# KiCad board line follower simple.kicad_pcb (continued)
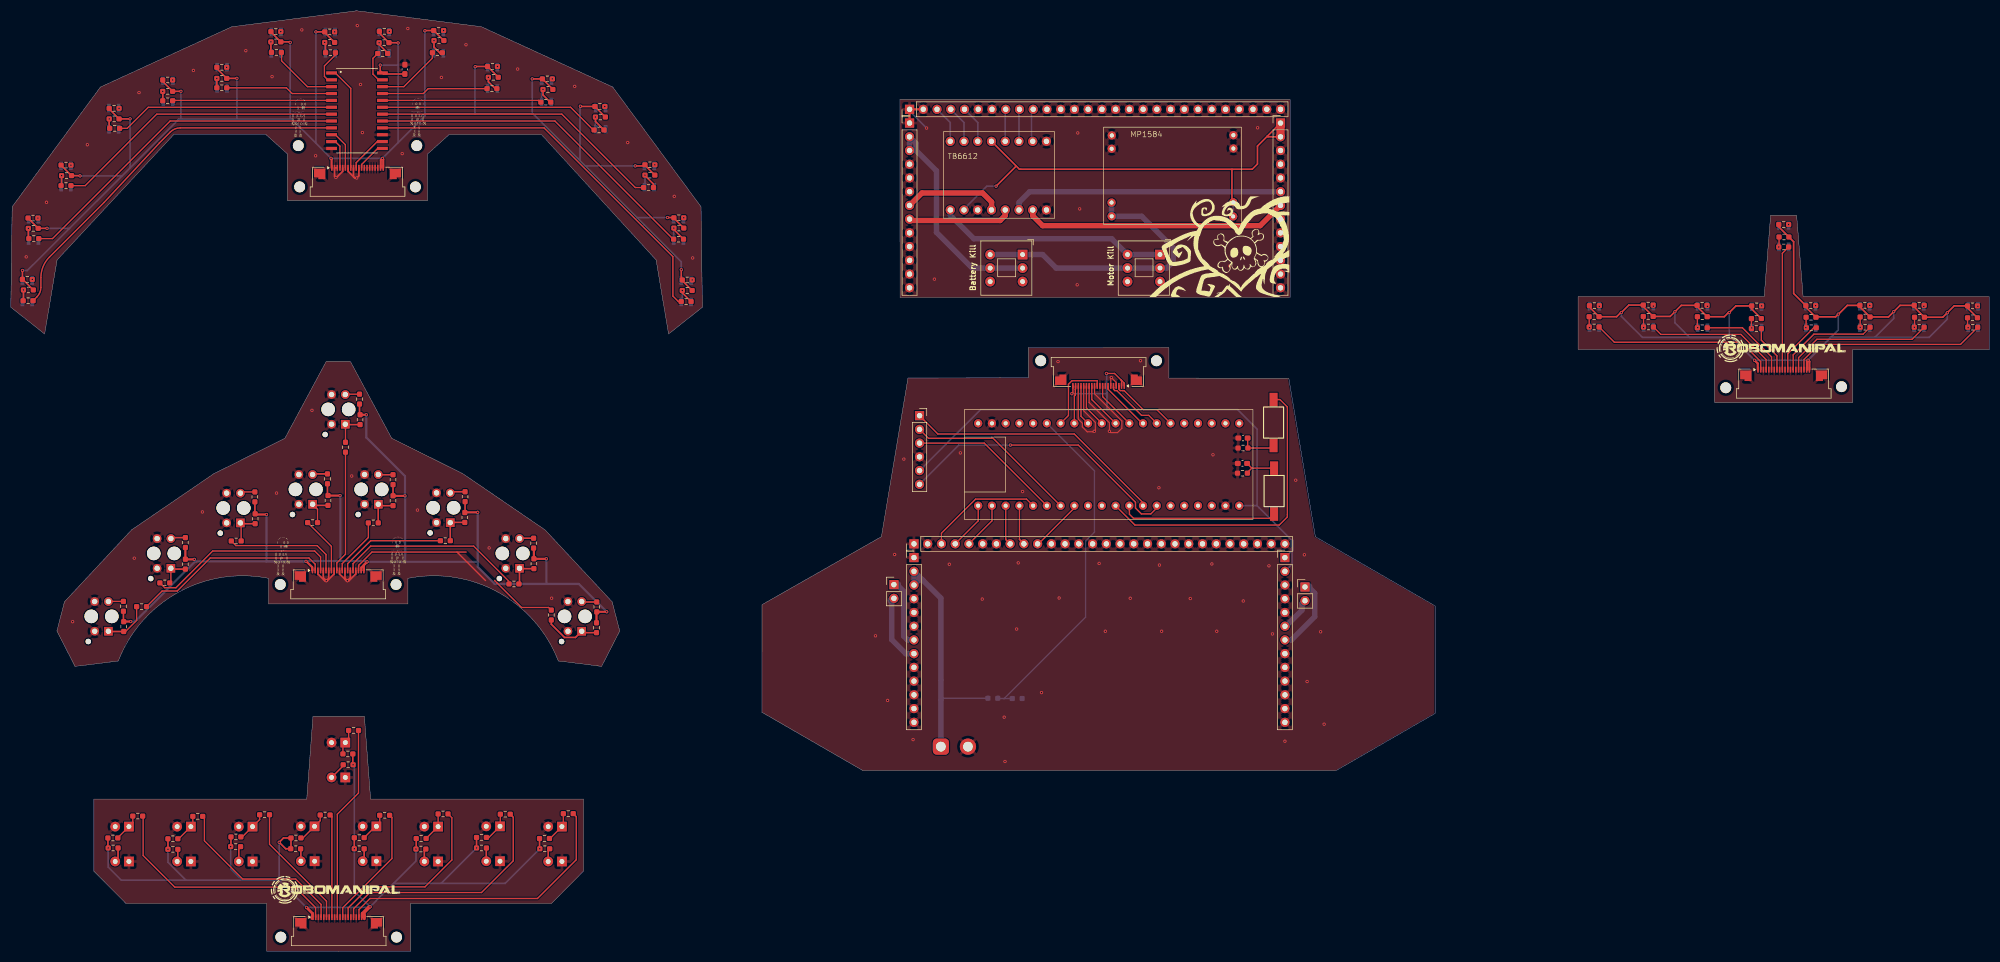
[diagram p0: board, top side]
## Routing (per net, layer and track width the routed paths; a pad name or vN(x,y) marks a point on that pad's centre or on a via; arc(x,y) is an arc through that point) (continued)
Net-(D7-A): length 2.3
  Top w0.3: 30.87,18.85 30.87,16.73 D7.2
Net-(D8-A): length 2.3
  Top w0.3: D8.2 53.62,18.9 R14.2
Net-(D9-A): length 2.4
  Top w0.3: R15.2 65.33,16.93 D9.2
Net-(Q1-C): length 5.7
  Top w0.25: R7.2 102.15,23.31 Q1.1 99.69,20.85 R4.1
Net-(Q2-C): length 5.4
  Top w0.25: R16.1 67.42,23.1 Q2.1 68.2,23.71 R17.2
Net-(Q3-C): length 5.4
  Top w0.25: R121.2 33.65,23.41 Q3.1 31.04,20.8 30.87,20.8
Net-(Q4-C): length 5.6
  Top w0.25: R125.2 90.5,23.16 Q4.1 88.39,21.05 R122.1
Net-(Q5-C): length 6
  Top w0.25: R123.1 54,20.95 Q5.1 57.2,24.15 R126.2
Net-(Q6-C): length 5.2
  Top w0.25: R127.2 22.55,23.76 Q6.1 19.78,20.99 R124.1
Net-(Q7-C): length 5.5
  Top w0.25: R131.2 79,23.06 Q7.1 78.98,23.05 R128.1
Net-(Q8-C): length 5.7
  Top w0.25: R129.1 42.79,21.15 Q8.1 46,24.36 R132.2
Net-(Q9-C): length 4.8
  Top w0.25: R130.1 61.4,38.16 Q9.1 62.45,39.21 R133.2
Net-(R19-Pad2): length 4.6
  Top w0.2: 2.3,122.15 2.46,122.31
  Top w0.3: v1(2.34,122.35) 2.34,120.4 R19.2
  Bottom w0.2: 2.1,120.08 U10.3
  Bottom w0.3: U10.3 2.34,120.31 v1(2.34,122.35)
Net-(R20-Pad2): length 4.2
  Top w0.3: v1(3.24,133.75) 3.24,131.95 R20.2
  Bottom w0.3: U11.3 3.3,133.69 v1(3.24,133.75)
Net-(R21-Pad2): length 4.3
  Top w0.3: 9.64,143.5 v1(9.39,143.5) 9.39,141.75 R21.2
  Bottom w0.3: U12.3 9.3,141.6 9.39,141.69 v1(9.39,143.5)
Net-(R22-Pad1): length 0.5
  Bottom w0.3: 4.1,124.22 3.95,124.08 4,124.12 4,124.26 v1(3.96,124.3)
Net-(R23-Pad1): length 0.3
  Bottom w0.3: v1(5.01,135.65) 5.05,135.61 5.05,135.47 5.1,135.43
Net-(R26-Pad1): length 0.1
  Bottom w0.3: v1(11.11,145.45) 11.1,145.44 U12.1
Net-(R28-Pad1): length 0.1
  Bottom w0.3: v1(29.91,161.2) 29.95,161.16 U13.1
Net-(R29-Pad1): length 3.8
  Top w0.3: v1(28.09,159.1) R30.2
  Bottom w0.3: U13.3 28.09,157.19 v1(28.09,159.1)
Net-(R31-Pad1): length 0.6
  Bottom w0.3: v1(39.91,163.55) 39.94,163.57 U14.1 39.95,164.1
Net-(R32-Pad1): length 3.8
  Top w0.3: v1(38.09,161.5) R33.2
  Bottom w0.3: U14.3 37.89,159.89 37.89,161.3 v1(38.09,161.5)
Net-(R34-Pad1): length 0.6
  Bottom w0.3: 49.95,170.55 U15.1 49.92,170.1 49.92,170.14 v1(49.91,170.15)
Net-(R35-Pad1): length 4.5
  Top w0.3: 47.79,168.3 47.79,168.29 47.83,168.25 v1(48.09,168.25) 48.09,166.4 R36.2
  Bottom w0.3: v1(48.09,168.25) 48.09,166.19 U15.3
Net-(R37-Pad1): length 0.1
  Bottom w0.3: v1(69.96,170.2) 69.95,170.19 U16.1
Net-(R38-Pad1): length 4.7
  Top w0.3: R39.2 69.66,166.19 68.09,167.76 v1(68.09,168.1)
  Bottom w0.3: v1(68.09,168.1) 68.09,166.19 U16.3
Net-(R40-Pad1): length 0.9
  Bottom w0.3: v1(80.01,170.35) 80.02,170.34 80.02,170.15 U17.1 79.95,170.7
Net-(R41-Pad1): length 5.2
  Top w0.3: v1(78.24,168.5) 78.24,167.28 79.31,166.2
  Bottom w0.3: U17.3 78.15,168.41 v1(78.24,168.5)
Net-(R43-Pad1): length 0.1
  Bottom w0.3: U18.1 89.95,163.69 v1(89.96,163.7)
Net-(R44-Pad1): length 5.1
  Top w0.3: R45.2 89.56,159.6 88.29,160.88 v1(88.29,161.7)
  Bottom w0.3: U18.3 88.29,159.76 v1(88.29,161.7)
Net-(R46-Pad1): length 0.1
  Bottom w0.3: U21.1 19.95,156.01 v1(20.01,155.95)
Net-(R47-Pad1): length 0.1
  Bottom w0.3: v1(59.86,170.1) 59.89,170.12 59.9,170.12 U22.1
Net-(R48-Pad1): length 0.5
  Top w0.3: 100.46,161.3 100.46,161.2
  Bottom w0.3: v1(100.11,161.4) 100.1,161.39 100.1,161.22 U23.1
Net-(R49-Pad2): length 2.9
  Top w0.3: 108.24,64.7 R49.2 105.63,64.61 U2.4
Net-(R50-Pad2): length 10.9
  Top w0.25: 105.54,59.2 U2.1
  Top w0.3: U2.1 104.39,58.05 102.37,58.05 99.92,60.5 R51.1 ; U2.1 105.8,58.94 R50.2 ; U2.1 105.54,59.09 105.54,59.08
Net-(R52-Pad2): length 2.7
  Top w0.3: U4.4 94.1,76.41 R52.2 96.59,76.35
Net-(R53-Pad2): length 5.9
  Top w0.3: U4.1 94.04,68.06 R54.1 ; U4.1 94.1,70.79 R53.2 96.64,70.85 ; U4.1 93.92,70.73
Net-(R55-Pad2): length 3.1
  Top w0.3: 83.77,84.8 R55.2 81.45,85.01 U5.4
Net-(R56-Pad2): length 6.1
  Top w0.3: 81.24,75.96 R57.1 81.25,79.29 U5.1 81.28,79.34 R56.2 83.9,79.3
Net-(R58-Pad2): length 2.8
  Top w0.3: U6.4 67.98,88.16 R58.2 70.62,88.2
Net-(R59-Pad2): length 6.7
  Top w0.3: 67.94,79.27 R60.1 67.92,82.68 U6.1 68.2,82.44 R59.2 70.4,82.7
Net-(R61-Pad2): length 3
  Top w0.3: U7.4 55.9,88.31 R61.2 58.43,88.2
Net-(R62-Pad2): length 7
  Top w0.25: U7.1 56.7,81.79 R63.1
  Top w0.3: U7.1 56,82.49 R62.2 58.43,82.7
Net-(R64-Pad2): length 2.8
  Top w0.25: R64.2 42.67,84.97 U8.4
Net-(R65-Pad2): length 6.4
  Top w0.25: R66.1 42.58,79.11 U8.1
  Top w0.3: 45.11,79.16 R65.2 42.59,79.1 U8.1 ; 42.89,79.36 42.78,79.25
Net-(R67-Pad2): length 3
  Top w0.3: U9.4 29.76,76.53 R67.2 32.11,76.36
Net-(R68-Pad2): length 6.1
  Top w0.25: 29.38,70.64 U9.1 29.59,68.36 R69.1
  Top w0.3: 32.11,70.86 R68.2 29.74,70.7 U9.1
Net-(R70-Pad2): length 2.8
  Top w0.25: U19.4 18.07,64.72 R70.2
Net-(R71-Pad2): length 8.9
  Top w0.25: 18.23,59.01 U19.1 ; R71.2 21.2,59.15 23.26,61.2 R72.1
  Top w0.3: U19.1 18.09,59.15 R71.2 20.86,59.16
Net-(R73-Pad2): length 2.7
  Top w0.25: U20.4 61.9,103.06 R73.2
  Top w0.3: 64.51,103 64.57,103.06
Net-(R74-Pad2): length 6.2
  Top w0.25: R75.1 61.87,97.46 U20.1
  Top w0.3: 64.51,97.5 R74.2 61.9,97.44 U20.1
Net-(R76-Pad1): length 3.7
  Top w0.3: v1(18.19,154) 18.19,152.35 R79.2
  Bottom w0.3: 18.15,152.07 18.15,152.25 18.19,152.29 v1(18.19,154)
Net-(R77-Pad1): length 4
  Top w0.3: v1(58.04,168.15) 58.19,168 R80.2
  Bottom w0.3: U22.3 58.04,166.24 v1(58.04,168.15)
Net-(R78-Pad1): length 5.6
  Top w0.3: R81.2 99.71,157.1 98.39,158.43 v1(98.39,159.45)
  Bottom w0.3: 97.92,157.12 U23.3 98.15,159.21 v1(98.39,159.45)
Net-(R82-Pad1): length 0.3
  Bottom w0.3: v1(109.81,156.3) 109.95,156.16 U24.1
Net-(R83-Pad1): length 5.4
  Top w0.3: v1(108.09,154.35) 108.09,153.53 R84.2
  Bottom w0.3: v1(108.09,154.35) 108.09,152.56 108.15,152.5 108.15,152.07
Net-(R85-Pad1): length 0.6
  Bottom w0.3: v1(119.06,145.5) 119.06,145.44 U25.1 118.95,145.75
Net-(R86-Pad1): length 5.2
  Top w0.3: R87.2 118.81,141.94 117.24,143.51 v1(117.24,143.6)
  Bottom w0.3: U25.3 117.24,141.46 v1(117.24,143.6)
Net-(R88-Pad1): length 0.9
  Bottom w0.3: 124.35,135.43 124.35,136
  Bottom w0.4: v1(124.41,135.7) 124.45,135.66 124.45,135.53 124.35,135.43
Net-(R89-Pad1): length 5.2
  Top w0.3: v1(122.59,133.8) 122.59,133.53 R90.2
  Bottom w0.3: 122.52,131.47 U26.3 122.55,133.76 v1(122.59,133.8)
Net-(R91-Pad1): length 0.3
  Bottom w0.3: 125.75,124.08 125.88,124.2 v1(125.96,124.2)
Net-(R92-Pad1): length 5.1
  Top w0.3: 124.25,122.14 v1(124.14,122.25) 124.14,121.83 R93.2
  Bottom w0.3: U27.3 123.95,120.55 124.14,120.74 v1(124.14,122.25)
Net-(R94-Pad1): length 0.1
  Top w0.25: v1(363.66,119.33) 363.59,119.4 R94.1
Net-(R95-Pad1):
  vias: v1(333.68,119.45)
Net-(R96-Pad1): length 0.2
  Top w0.25: v1(303.66,119.35) 303.62,119.39 R96.1
Net-(R100-Pad2): length 2
  Top w0.25: R97.1 361.75,115.49 v1(361.86,115.38) 361.8,115.44 R100.2
Net-(R101-Pad2): length 2.1
  Top w0.25: R98.1 331.9,115.4 R101.2 331.89,115.35 v1(331.86,115.38)
Net-(R102-Pad2): length 2.1
  Top w0.25: R99.1 301.85,117.4 301.85,115.41 v1(301.86,115.4)
Net-(R103-Pad1): length 0.2
  Top w0.25: v1(353.66,119.33) 353.72,119.39 R103.1
Net-(R104-Pad1):
  vias: v1(323.68,119.4)
Net-(R105-Pad1): length 0.1
  Top w0.25: R105.1 293.68,119.34 v1(293.66,119.33)
Net-(R106-Pad1): length 1.9
  Top w0.25: v1(351.9,115.45) 351.95,115.5 R106.1
Net-(R107-Pad1): length 2
  Top w0.25: v1(321.86,115.33) 321.8,115.26 R110.2 R107.1
Net-(R108-Pad1): length 2.1
  Top w0.25: R108.1 R111.2 291.8,115.44 v1(291.86,115.38)
Net-(R112-Pad1): length 0.2
  Bottom w0.25: v1(343.68,119.5) 343.66,119.49 U34.1
Net-(R113-Pad1): length 0.2
  Top w0.25: R113.1 313.57,119.41 v1(313.66,119.33)
Net-(R114-Pad1): length 0.2
  Bottom w0.25: v1(328.68,134.45) 328.66,134.44 U36.1
Net-(R115-Pad1): length 2
  Top w0.25: R115.1 v1(341.9,115.45)
  Bottom w0.25: U34.3 341.86,115.41 v1(341.9,115.45)
Net-(R116-Pad1): length 2.1
  Top w0.25: R116.1 R119.2 311.84,115.35 v1(311.86,115.38)
Net-(R117-Pad1): length 1.9
  Top w0.25: R117.1 326.9,130.35 v1(326.85,130.3)
  Bottom w0.25: U36.3 326.86,130.31 v1(326.85,130.3)

## Copper pours and planes (outline as drawn; the poured copper is in the pictures)
+3.3V on Top: 59.7,144.65 59.73,147.24 58.65,147.25 58.73,144.58
GND on Top: 51.1,138.87 77.05,138.87 77.05,147.54 81.05,151.12 98.15,151.12 119.3,127.92 121.6,114.22 127.85,119.17 127.6,137.77 111.25,159.92 87,171.07 63.95,174.02 63.9,174.02 40.85,171.07 16.55,159.87 0.25,137.77 0,119.17 6.25,114.22 8.55,127.92 30.17,151.17 47.08,151.17 51.1,147.58
GND on Top, Bottom: 289.75,121.12 289.75,111.33 314.95,111.33 314.95,101.58 340.55,101.58 340.55,111.33 365.75,111.33 365.75,121.12 331.35,121.12 330.15,136.18 325.35,136.18 324.15,121.12
GND on Top, Bottom: 164.4,157.55 236.5,157.55 236.5,121 164.4,121
GND on Top, Bottom: 47.31,0 73.91,0 73.91,8.85 99.96,8.85 105.86,14.8 105.86,28.15 66.51,28.15 65.36,43.45 55.86,43.45 54.71,28.15 15.36,28.15 15.36,14.8 21.26,8.85 47.31,8.85
GND on Top, Bottom: 236.5,157.55 236.5,121 164.4,121 164.4,157.55
GND on Top, Bottom: 11.87,52.7 19.87,53.7 21.32,57.05 22.12,58.15 22.52,58.8 22.82,59.15 23.27,59.75 23.67,60.35 24.27,61.05 26.17,62.95 27.27,63.9 28.42,64.8 29.72,65.65 31.62,66.75 33.27,67.55 34.67,68.05 36.07,68.5 37.67,68.9 39.12,69.2 40.82,69.4 43.42,69.45 45.22,69.35 46.77,69.15 47.67,69 47.67,64.25 73.42,64.25 73.42,69 74.52,69.2 76.17,69.35 77.62,69.45 79.02,69.45 80.32,69.35 80.87,69.3 81.77,69.2 82.92,69 84.17,68.75 85.17,68.45 86.67,67.95 87.82,67.5 88.77,67.1 89.52,66.7 90.47,66.2 91.72,65.45 92.87,64.65 94.12,63.65 95.02,62.85 95.72,62.2 96.52,61.3 97.17,60.6 97.82,59.75 99.17,57.8 99.82,56.75 100.72,54.95 101.07,54.05 101.22,53.7 104.87,53.25 109.22,52.7 112.57,59.25 111.17,64.65 98.77,77.95 83.57,88.35 70.42,94.9 62.82,109.05 58.27,109.05 50.67,94.9 37.52,88.35 22.32,77.95 9.92,64.65 8.52,59.25
GND on Top, Bottom: 188.1,111.62 214.1,111.68 214.1,106.03 236.1,106 241,76.65 263.15,63.9 263.15,44 244.9,33.45 157.35,33.45 138.7,44.2 138.75,64.1 160.8,76.7 165.7,106.05 188.1,106.04
GND on Bottom: 51.15,138.87 77.05,138.87 77.05,147.52 81.1,151.12 98.25,151.12 119.3,127.92 121.6,114.22 127.85,119.17 127.6,137.77 111.25,159.92 87,171.07 63.95,174.02 63.9,174.02 40.85,171.07 16.55,159.87 0.25,137.77 0,119.17 6.25,114.22 8.55,127.92 30.17,151.17 47.08,151.17 51.15,147.53

## Text on the board
B.Silkscreen: pls work | Created by:
F.Silkscreen: TB6612 | MP1584 | Battery Kill | Motor Kill
